# Allegro board A733_PRO3_AXP318_LPDDR5_FBGA315BALL_32X1_V2_0.brd (continued)
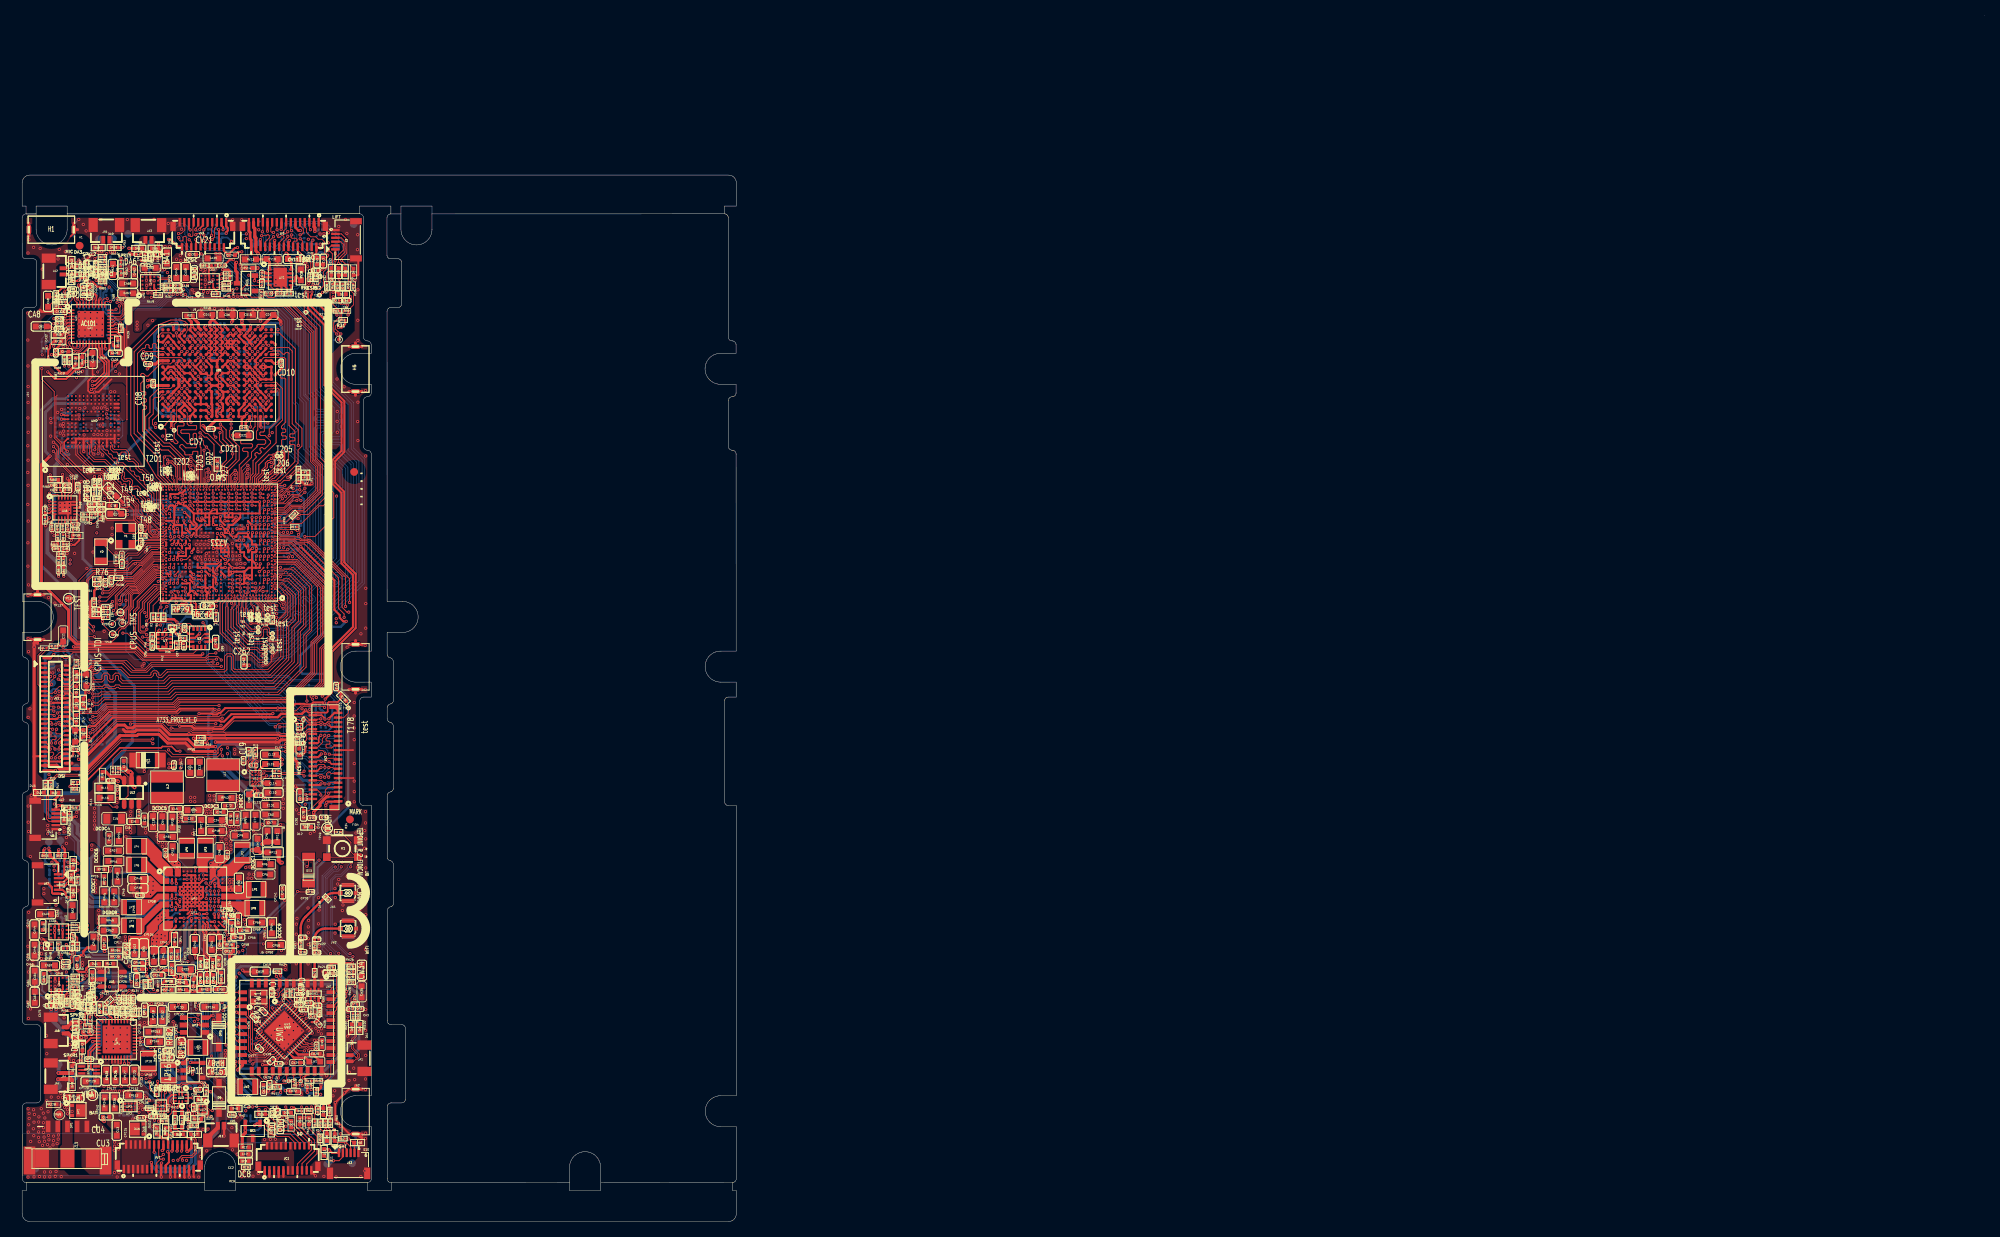
[diagram p0: board, top side]
## Placement (name value [footprint] x y rotation side) (continued)
T170  test  [TP30]  36.57 62.83 180 bottom
T171  test  [TP30]  36.98 69.24 180 bottom
T172  test  [TP30]  40.18 67.21 180 bottom
T173  test  [TP30]  36.24 61.73 0 top
T174  test  [TP30]  36.28 62.76 0 top
T175  test  [TP30]  37.07 57.69 180 bottom
T176  test  [TP30]  36.25 64.76 0 top
T177  test  [TP30]  38.5 64.85 180 bottom
T178  test  [TP30]  42.07 66.26 0 top
T179  test  [TP30]  29.1 97.56 180 bottom
T180  test  [TP30]  26.9 108.25 180 bottom
T181  test  [TP30]  26.88 109.04 180 bottom
T182  test  [TP30]  23.36 109.85 180 bottom
T183  test  [TP30]  30.38 108.26 180 bottom
T184  test  [TP30]  17.02 94.64 0 top
T186  test  [TP30]  9.24 99.01 180 bottom
T187  test  [TP30]  12.13 96.98 0 top
T189  test  [TP30]  8.8 96.99 0 top
T199  test  [TP30]  33.62 99.33 180 bottom
T200  test  [TP30]  30.69 93.97 180 bottom
T201  test  [TP30]  18.74 96.65 0 top
T202  test  [TP30]  18.73 97.16 0 top
T203  test  [TP30]  21.72 96.54 0 top
T204  test  [TP30]  21.73 96.03 0 top
T205  test  [TP30]  32.87 98.76 0 top
T206  test  [TP30]  33.39 98.74 0 top
TP10  JTAG-SEL  [TP50]  32.52 91.39 0 bottom
TP12  PLLTEST  [TP50]  17.76 88.67 90 bottom
TP13  CPU-PLLTEST  [TP50]  17.93 89.98 180 bottom
TP21  SPKL1+  [TP100]  16.63 126.21 180 bottom
TP22  SPKR1+  [TP100]  4.71 20.27 0 bottom
TP23  SPKL1-  [TP100]  14.88 125.78 180 bottom
TP24  SPKR1-  [TP100]  4.66 17.47 0 bottom
TP25  SPKR2+  [TP100]  6.66 25.87 90 bottom
TP26  SPKL2+  [TP100]  11.72 126.8 90 bottom
TP27  SPKR2-  [TP100]  6.79 23.66 180 bottom
TP28  SPKL2-  [TP100]  9.9 126.73 270 bottom
TP29  GND  [TP100]  42.74 128.68 270 bottom
TP30  POWKEY  [TP100]  38.49 124.73 270 bottom
TP31  VOL-  [TP100]  39.69 123.71 180 bottom
TP32  VOL+  [TP100]  40.51 125.73 270 bottom
TP33  RESET-KEY  [TP100]  40.72 122.64 180 bottom
TP34  VCC-3V3  [TP50]  34.92 89.71 45 bottom
TP35  CPUX-TX  [TP50]  31.95 95.43 45 bottom
TP36  CPUX-TDI  [TP50]  34.44 92.58 315 bottom
TP37  CPUX-TMS  [TP50]  40.85 113.79 225 top
TP38  CPUX-RX  [TP50]  32.68 92.7 0 bottom
TP39  CPUX-TCK  [TP50]  35.78 91.99 45 bottom
TP40  CPUX-TDO  [TP50]  32.46 89.86 135 bottom
TP41  GND  [TP50]  33.51 96.42 180 bottom
TP42  GND  [TP50]  33.83 91.39 180 bottom
TP43  CPUS-TX  [TP50]  13 80.89 0 bottom
TP44  CPUS-RX  [TP50]  13.06 79.56 0 bottom
TP45  CPUS-TMS  [TP50]  12.67 78.59 180 top
TP46  CPUS-TCK  [TP50]  11.6 77.08 180 top
TP47  CPUS-TDO  [TP50]  12.91 77.22 0 top
TP48  CPUS-TDI  [TP50]  11.67 75.77 270 top
TP49  UBOOT  [TP100]  39.32 50.75 270 top
TP50  VOL+  [TP100]  39.33 10.32 180 bottom
TP51  VOL-  [TP100]  40.67 9.23 180 bottom
TP52  POWKEY  [TP100]  39.34 7.42 180 bottom
TP53  GND  [TP100]  38.31 12.65 180 bottom
TP54  RESET-KEY  [TP100]  42.99 9.92 180 bottom
TP56  0  [TP100]  27.91 41.05 180 bottom
TP57  VBAT  [TP100]  9.06 16.29 0 top
TP58  GND  [TP100]  1.71 6.83 180 bottom
TP59  TS  [TP100]  4.8 13.81 0 top
TP60  TP-SPI-MISO  [TP100]  7.37 70.42 180 bottom
TP61  TP-SPI-MOSI  [TP100]  3.8 71.69 180 bottom
TP62  TP-SPI-CLK  [TP100]  5.75 69.43 180 bottom
TP63  TP-SPI-CS0  [TP100]  3.86 69.48 180 bottom
TP64  TP-RST  [TP100]  7.7 67.96 180 bottom
TP65  TP-INT  [TP100]  7.62 66.35 180 bottom
TP66  TP-SDA  [TP100]  4.01 56.46 180 bottom
TP67  TP-SCK  [TP100]  5.9 66.76 180 bottom
TP68  0  [TP100]  9.9 70.49 180 bottom
TP69  0  [TP100]  8.31 71.61 180 bottom
TP70  0  [TP100]  10.94 67.8 180 bottom
TP71  0  [TP100]  10.48 66.36 180 bottom
TP72  0  [TP100]  11.12 65.01 180 bottom
TP73  0  [TP100]  11.13 63.36 180 bottom
TP74  0  [TP100]  5.74 60.15 180 bottom
TP75  0  [TP100]  5.9 61.94 180 bottom
TP76  0  [TP100]  6.95 58.56 180 bottom
TP77  0  [TP100]  5.18 57.85 180 bottom
TP97  HP-DET  [TP100]  5.15 43.45 180 bottom
TP98  HPOUTFB  [TP100]  4.93 49.17 180 bottom
TP99  HPOUTR  [TP100]  6.28 44.51 180 bottom
TP100  HS-MIC  [TP100]  6.18 41.19 180 bottom
TP101  HPOUTL  [TP100]  3.45 48.98 180 bottom
TP137  TEST  [TP100]  6.01 80.35 0 top
U1  A733  [BGA570P40_50B1500_1500H95]  25.37 87.6 180 top
U2  QMI8658A/ICM-42670-P  [LGA14P50B250_300H81]  22.85 75.3 270 top
U5  MMC5603NJ  [BGA4P40B82_82H57]  35.76 63.84 0 top
U7  DA215S/MC3433  [LGA12P50B200_200H100]  18.34 74.94 270 top
UA1  AC101  [QFN40P0_40B5_00X5_00H0_75]  8.86 115.78 0 top
UA2  AW87391  [BGA16P50B200_250H55]  24.13 121.26 90 top
UA3  AW87391  [BGA16P50B200_250H55]  4.72 37.36 90 top
UA4  AW87391  [BGA16P50B200_250H55]  4.74 30.69 90 top
UA5  AW87391  [BGA16P50B200_250H55]  16.52 121.13 90 top
UA6  AC107  [QFN20P40B300_300H75]  5.51 92.06 0 top
UD1  LPDDR5_FBGA315  [BGA315P70_80B1500_1240H110]  25.13 109.45 90 top
UL1  OCP2131WPAD-G  [BGA15P40B144_200H63]  30.09 57.19 0 top
UL2  STI9287C  [SOT23-6]  14.1 55.37 180 top
UM2  UFS  [BGA153P50B1150_1300H90]  9.17 103.25 90 top
UP1  AXP318-WBBGA  [BGA147P50B800_800H113]  22.32 41.67 0 top
UP2  BCT72905/AW3291X  [FCQFN12P40B130_180H55]  13.92 14.81 0 top
UP3  LP6216  [SOT6P95B160_290H145]  22.21 25.35 180 top
UP4  AXP515  [QFN41P40B500_500H85]  12.18 23.49 90 top
UP5  NC/HUSB311  [BGA9P40B135_140H58]  17.94 14.96 90 top
UP11  NC/SY8089A1AAC  [SOT5P95B160_300H130]  22.03 19.5 0 top
UU1  WS4603E  [SOT23-5]  11.54 31.26 0 top
UU2  WAS4766C  [BGA9P40B117_117H58D5]  23.25 14.47 270 top
UU3  SGM7237B  [QFN10P40B140_180H55]  20.44 15.95 270 top
UV1  SGM3141B  [DFN11P50B300_300H75]  33.29 121.83 0 top
UW1  SLFD18-5R950G-07T  [DPX6P50B60_160H80]  37.71 29.4 180 top
UW2  AW8X9X  [SUB_WIFI44B1200_1200H150]  34.11 25.07 270 top
UW3  AIC8800D80  [QFN49P35B500_500H85]  33.8 24.57 315 top
Y1  24M/19.2M/26M-20pF-10ppm  [X4B250_320H120_SMD]  13.32 88.43 180 top
Y2  32.768K-12.5pF-20ppm  [X2B150_320H75_SMD]  10.16 86.41 270 top
YW1  40MHz  [X4B165_205H45_SMD]  30.49 28.95 90 top

## Library data of the parts
BA1 BA2 = INDUCTOR_0
C1 C3-C89 C92 C93 C95-C97 C108-C111 C116 C125 C128-C135 C257-C262 CA3 CA5-CA7 CA9 CA12 CA15 CA16 CA19 CA20 CA22 CA24 CA28-CA102 CD1-CD27 CD32-CD69 CM1-CM4 CP112 CP115 CP121 CP130 CP136 CP138 CP139 CP150-CP154 CU4-CU6 CV1-CV7 CV10-CV26 CW1 CW2 CW5-CW13 CW15-CW17 CW19-CW35 = C-C0402
CA1 CA2 CA10 CA11 CA18 = CAPACITOR_0: room: POWER
CA4 CA13 CA14 CA17 CA23 CA25 CA26 = CAPACITOR_0: room: AC100
CA8 CA21 CA27 CP1-CP4 CP6-CP8 CP10-CP13 CP15 CP17 CP20-CP25 CP28-CP33 CP35 CP37 CP38 CP40 CP41 CP43 CP44 CP46 CP48-CP51 CP55 CP56 CP58 CP103 CP116-CP120 CP122-CP127 CP129 CP132-CP135 CP137 CP140-CP144 CU1-CU3 = C-C0603
CC1 CM24-CM35 CM37 CM39 CM54-CM61 = C-C0402-X5R_0
CC2 = C-C0603-X5R_1
CL1 CL3-CL7 CL9-CL20 CV8 CV9 = CAPACITOR_0
CP5 CP9 CP18 CP27 CP34 CP39 CP47 CP52 CP59 = C-C0805
D1-D5 D7-D12 DA5-DA12 DC1-DC8 DL2-DL9 DU1-DU4 DU7-DU12 = ESD9B5VL
D6 = DIO-XBS104S14
D13 = DIO-1N4148
DA1-DA4 DA13-DA18 = ESD9B5VL_0
DL1 DP3 = D_1
DP1 DU6 = DIODE SCHOTTKY_1
DP2 = LED-0805-G
FID1-FID4 = T POINT R_2: Tolerance: *; User Part Number: *
H1-H5 = CONN PWR 2-J_0
J1 JA7 = CLAP070LF02CW_5: User Part Number: #REF
J2 J12 = CLAP070LF02CW_13: User Part Number: #REF
J3-J10 J13 J14 = CON5
J11 = MOTOR AC_0
JA1-JA6 = CONN RCPT 1_1
JC1 = CLAP070LF02CW_6
JL1 = CON51PIN_CTP_1
JP1 = J_BAT
JP2 = J_BAT_TS
JU1 = CLAP070LF02CW_0
JV1 = HEADER 31_0
JV2 = FPC-39P-0.3MM
JV3 = FPC-21P-0.3MM
JW1 JW2 = ANT-IPX_2
K1 = MTP1112E_0
LL1 LL2 LP1-LP9 LW3-LW5 = INDUCTOR
LP10 = L-L3225
LP11 = L_4012
LP16 = L-L2520
LU1 = ICMS212B900MFR_0: signal model: ICMS212B900MFR_0_LC4B120_200H12_NC/CMF0806UD900MFR
LW1 LW2 = INDUCTORS OF FERRITE
QC1 = PMOS-STS2301
QV1 = MOSFET N
R1 R6 R15 R17 R19 R28-R34 R36-R40 R42-R44 R46 R52 R53 R70 R71 R76 RA5 RA7 RA11 RA13 RA19 RA21 RA23 RA25 RA30-RA36 RA39-RA60 RA64 RA72-RA98 RA100-RA103 RC3 RC4 RC6 RL34 RL35 RM36 RP3-RP5 RP8-RP10 RP19 RP22 RP23 RP29 RP32 RP33 RP36 RP38 RP55-RP57 RP82 RP87 RP198 RP225 RP228 RP234 RP236 RP237 RP240 RP243-RP245 RP247-RP250 RP253-RP259 RP261 RP263 RP265 RP266 RP271 RP272 RP301-RP304 RU1 RU2 RU5-RU7 RU9 RU10 RU14 RU15 RV1-RV11 RV13 RV14 RV16 RV19 RV22-RV26 RW4 RW9-RW15 RW17 RW18 RW21 RW22 RW24-RW29 RW31-RW38 RW60-RW62 = R-R0402-5%
R2 R5 R7 R9 R25-R27 R49-R51 R57-R64 RA61-RA63 RA65-RA69 RP6 RP11 RP13 RP14 RP17 RP24 RP30 RP41 RP45 RP49 RP54 RP267-RP270 RP298 RP299 = R-R0603-1%
R3 R4 R8 R10-R14 R18 R21-R24 R48 R66-R68 R72-R75 RD1 RD2 RM3 RM37 RM38 RM41 RP15 RP20 RP77 RU8 RV12 RV21 = R-R0402-1%
RA1-RA4 RA6 RA8-RA10 RA12 RA14-RA18 RA20 RA26-RA29 RA99 = R: room: AC100
RC1 RW1 = R-R0402-5%: signal model: R-R0402-5%_R0201_33R_33R
RC2 = R-R0603-5%_0
RC5 RC7-RC9 = R-R0402-5%_0
RL5 RL7-RL9 RL11 RL13 RL15-RL23 RL42 RL43 = RESISTOR
RL24-RL27 RL30-RL33 RL36-RL38 RL44 RL45 RL47 RL48 RV15 RV17 RV18 RV20 = R
RP2 RP7 RP21 RP28 RP39 RP42 RP50 RP53 RP127 RP220 RP242 RP287 RP290-RP297 RP300 = R-R0603-1%_2
RP246 = SMR0805
RP251 RP252 = R-R0402-5%: signal model: R-R0402-5%_R0201_NC/470R_NC/470R
RU3 RU4 RU17 RU18 = R-R0402-5%: signal model: R-R0402-5%_R0201_0R_0R
RU11 RU12 = R-R0402-5%: signal model: R-R0402-5%_R0201_5.1R_5.1R
RU34 RU35 = R-R0402-5%: signal model: R-R0402-5%_R0201_NC/0R_NC/0R
T3-T24 T26-T30 T33-T39 T41-T44 T47-T50 T52-T55 T57-T87 T112 T113 T116-T121 T128-T184 T186 T187 T189 T199-T206 = TestPoint-on wire
TP10 TP12 TP13 TP21-TP54 TP56-TP77 TP97-TP101 TP137 = TestPoint-SMD
U1 = A733-V1.0
U2 = ICM-42670-P
U5 = AK09918C
U7 = MC3433
UA1 = AC101&AC101B V0.2
UA2-UA5 = AW87391
UA6 = AC107s_standard_0
UD1 = LPDDR5_FBGA315
UL1 = uPC8236T6N_2
UL2 = AP3031_0: Tolerance: RichardLC
UM2 = UFS_0
UP1 = AXP318-WBBGA
UP2 = BCT72901
UP3 = LP6216
UP4 = AW1760_6
UP5 = HUSB311
UP11 = SY8089A
UU1 = SY6280
UU2 = WAS4766C
UU3 = SGM7237B: signal model: SGM7237B_QFN10P40B140_180H55_SG_SGM7237B
UV1 = SGM3141_0
UW1 = DPX_1
UW2 = MODULE_AP6XXX_0
UW3 = AIC8800D80_0
Y1 = CRY-24MHz-3225-SMD
Y2 = CRY-32_0.768KHz-2X6-DIP
YW1 = Crystal_1

## Footprints (pads in the part's own frame, mm; a bottom-side part is the same pattern mirrored in y, then rotated)
45PIN_UD_FPC_863
  rect 0.3x0.8 smd: 1(0,0) 3(0.6,0) 5(1.2,0) 7(1.8,0) 9(2.4,0) 11(3,0) 13(3.6,0) 15(4.2,0) 17(4.8,0) 19(5.4,0) 21(6,0) 23(6.6,0) 25(7.2,0) 27(7.8,0) 29(8.4,0) 31(9,0) 33(9.6,0) 35(10.2,0) 37(10.8,0) 39(11.4,0) 41(12,0) 43(12.6,0) 45(13.2,0)
  rect 0.3x0.65 smd: 2(0.3,2.875) 4(0.9,2.875) 6(1.5,2.875) 8(2.1,2.875) 10(2.7,2.875) 12(3.3,2.875) 14(3.9,2.875) 16(4.5,2.875) 18(5.1,2.875) 20(5.7,2.875) 22(6.3,2.875) 24(6.9,2.875) 26(7.5,2.875) 28(8.1,2.875) 30(8.7,2.875) 32(9.3,2.875) 34(9.9,2.875) 36(10.5,2.875) 38(11.1,2.875) 40(11.7,2.875) 42(12.3,2.875) 44(12.9,2.875)
  rect 0.3x1.15 smd: 46(13.85,0.375) 47(-0.65,0.375)
BAT_SMD-3
  rect 1.78x2.29 smd: 1(-3.27,0) 2(0,0) 3(3.27,0)
BGA4P40B82_82H57
  round 0.25 smd: A1(-0.2,0.2) A2(0.2,0.2) B1(-0.2,-0.2) B2(0.2,-0.2)
BGA9P40B117_117H58D5
  custom 0.21x0.249 smd: A1(-0.4,0.4) A2(0,0.4)
  round 0.25 smd: A3(0.4,0.4) B1(-0.4,0) B2(0,0) B3(0.4,0) C1(-0.4,-0.4) C2(0,-0.4) C3(0.4,-0.4)
BGA9P40B135_140H58
  round 0.25 smd: A1(-0.4,0.4) A2(0,0.4) B1(-0.4,0) B2(0,0) C1(-0.4,-0.4) C2(0,-0.4) C3(0.4,-0.4)
  custom 0.249x0.21 smd: A3(0.4,0.4) B3(0.4,0)
BGA15P40B144_200H63
  round 0.25 smd: A1(-0.4,0.8) A2(0,0.8) B1(-0.4,0.4) B2(0,0.4) C1(-0.4,0) C2(0,0) D1(-0.4,-0.4) D2(0,-0.4) E1(-0.4,-0.8) E2(0,-0.8) E3(0.4,-0.8)
  custom 0.25x0.2 smd: A3(0.4,0.8) B3(0.4,0.4) C3(0.4,0) D3(0.4,-0.4)
BGA16P50B200_250H55
  round 0.24 smd: A1(-0.75,1) A2(-0.25,1) A3(0.25,1) A4(0.75,1) B1(-0.75,0.5) B4(0.75,0.5) C1(-0.75,0) C3(0.25,0) C4(0.75,0) D1(-0.75,-0.5) D2(-0.25,-0.5) D4(0.75,-0.5) E1(-0.75,-1) E2(-0.25,-1) E3(0.25,-1) E4(0.75,-1)
BGA147P50B800_800H113
  round 0.27 smd: A1(-3.5,3.5) A2(-3,3.5) A3(-2.5,3.5) A4(-2,3.5) A5(-1.5,3.5) A6(-1,3.5) A7(-0.5,3.5) A8(0,3.5) A9(0.5,3.5) A10(1,3.5) A11(1.5,3.5) A12(2,3.5) A13(2.5,3.5) A14(3,3.5) A15(3.5,3.5) B1(-3.5,3) B2(-3,3) B3(-2.5,3) B4(-2,3) B5(-1.5,3) B7(-0.5,3) B8(0,3) B9(0.5,3) B11(1.5,3) B12(2,3) B13(2.5,3) B14(3,3) B15(3.5,3) C1(-3.5,2.5) C2(-3,2.5) C3(-2.5,2.5) C5(-1.5,2.5) C11(1.5,2.5) C12(2,2.5) C13(2.5,2.5) C15(3.5,2.5) D1(-3.5,2) D5(-1.5,2) D7(-0.5,2) D9(0.5,2) D14(3,2) D15(3.5,2) E1(-3.5,1.5) E2(-3,1.5) E3(-2.5,1.5) E4(-2,1.5) E6(-1,1.5) E8(0,1.5) E10(1,1.5) E11(1.5,1.5) E12(2,1.5) E13(2.5,1.5) E14(3,1.5) E15(3.5,1.5) F1(-3.5,1) F2(-3,1) F3(-2.5,1) F5(-1.5,1) F7(-0.5,1) F9(0.5,1) F15(3.5,1) G1(-3.5,0.5) G2(-3,0.5) G3(-2.5,0.5) G4(-2,0.5) G6(-1,0.5) G8(0,0.5) G10(1,0.5) G11(1.5,0.5) G12(2,0.5) G13(2.5,0.5) G14(3,0.5) G15(3.5,0.5) H1(-3.5,0) H5(-1.5,0) H7(-0.5,0) H9(0.5,0) H15(3.5,0) J1(-3.5,-0.5) J2(-3,-0.5) J3(-2.5,-0.5) J4(-2,-0.5) J6(-1,-0.5) J8(0,-0.5) J10(1,-0.5) J11(1.5,-0.5) J12(2,-0.5) J13(2.5,-0.5) J14(3,-0.5) J15(3.5,-0.5) K1(-3.5,-1) K5(-1.5,-1) K7(-0.5,-1) K9(0.5,-1) K15(3.5,-1) L1(-3.5,-1.5) L2(-3,-1.5) L3(-2.5,-1.5) L4(-2,-1.5) L6(-1,-1.5) L8(0,-1.5) L10(1,-1.5) L11(1.5,-1.5) L12(2,-1.5) L13(2.5,-1.5) L14(3,-1.5) L15(3.5,-1.5) M1(-3.5,-2) M4(-2,-2) M6(-1,-2) M8(0,-2) M10(1,-2) M15(3.5,-2) N1(-3.5,-2.5) N2(-3,-2.5) N4(-2,-2.5) N6(-1,-2.5) N8(0,-2.5) N10(1,-2.5) N13(2.5,-2.5) N14(3,-2.5) N15(3.5,-2.5) P1(-3.5,-3) P2(-3,-3) P3(-2.5,-3) P4(-2,-3) P5(-1.5,-3) P6(-1,-3) P7(-0.5,-3) P8(0,-3) P9(0.5,-3) P10(1,-3) P11(1.5,-3) P12(2,-3) P14(3,-3) P15(3.5,-3) R1(-3.5,-3.5) R2(-3,-3.5) R3(-2.5,-3.5) R5(-1.5,-3.5) R7(-0.5,-3.5) R8(0,-3.5) R10(1,-3.5) R12(2,-3.5) R13(2.5,-3.5) R14(3,-3.5) R15(3.5,-3.5)
BGA153P50B1150_1300H90
  oval 0.195x0.321 smd: A1(-3.25,3.25) A2(-2.75,3.25) A3(-2.25,3.25) A4(-1.75,3.25) A5(-1.25,3.25) A6(-0.75,3.25) A7(-0.25,3.25) A8(0.25,3.25) A9(0.75,3.25) A10(1.25,3.25) A11(1.75,3.25) A12(2.25,3.25) A13(2.75,3.25) P2(-2.75,-3.25) P3(-2.25,-3.25) P4(-1.75,-3.25) P5(-1.25,-3.25) P6(-0.75,-3.25) P7(-0.25,-3.25) P8(0.25,-3.25) P9(0.75,-3.25) P10(1.25,-3.25) P11(1.75,-3.25) P12(2.25,-3.25) P13(2.75,-3.25) P14(3.25,-3.25)
  oval 0.321x0.195 smd: A14(3.25,3.25) B1(-3.25,2.75) B14(3.25,2.75) C1(-3.25,2.25) C14(3.25,2.25) D1(-3.25,1.75) D14(3.25,1.75) E1(-3.25,1.25) E14(3.25,1.25) F1(-3.25,0.75) F14(3.25,0.75) G1(-3.25,0.25) G14(3.25,0.25) H1(-3.25,-0.25) H14(3.25,-0.25) J1(-3.25,-0.75) J14(3.25,-0.75) K1(-3.25,-1.25) K14(3.25,-1.25) L1(-3.25,-1.75) L14(3.25,-1.75) M1(-3.25,-2.25) M14(3.25,-2.25) N1(-3.25,-2.75) N14(3.25,-2.75) P1(-3.25,-3.25)
  round 0.25 smd: B2(-2.75,2.75) B3(-2.25,2.75) B4(-1.75,2.75) B5(-1.25,2.75) B6(-0.75,2.75) B7(-0.25,2.75) B8(0.25,2.75) B9(0.75,2.75) B10(1.25,2.75) B11(1.75,2.75) B12(2.25,2.75) B13(2.75,2.75) C2(-2.75,2.25) C3(-2.25,2.25) C4(-1.75,2.25) C5(-1.25,2.25) C6(-0.75,2.25) C7(-0.25,2.25) C8(0.25,2.25) C9(0.75,2.25) C10(1.25,2.25) C11(1.75,2.25) C12(2.25,2.25) C13(2.75,2.25) D2(-2.75,1.75) D3(-2.25,1.75) D4(-1.75,1.75) D12(2.25,1.75) D13(2.75,1.75) E2(-2.75,1.25) E3(-2.25,1.25) E5(-1.25,1.25) E6(-0.75,1.25) E7(-0.25,1.25) E8(0.25,1.25) E9(0.75,1.25) E10(1.25,1.25) E12(2.25,1.25) E13(2.75,1.25) F2(-2.75,0.75) F3(-2.25,0.75) F5(-1.25,0.75) F10(1.25,0.75) F12(2.25,0.75) F13(2.75,0.75) G2(-2.75,0.25) G3(-2.25,0.25) G5(-1.25,0.25) G10(1.25,0.25) G12(2.25,0.25) G13(2.75,0.25) H2(-2.75,-0.25) H3(-2.25,-0.25) H5(-1.25,-0.25) H10(1.25,-0.25) H12(2.25,-0.25) H13(2.75,-0.25) J2(-2.75,-0.75) J3(-2.25,-0.75) J5(-1.25,-0.75) J10(1.25,-0.75) J12(2.25,-0.75) J13(2.75,-0.75) K2(-2.75,-1.25) K3(-2.25,-1.25) K5(-1.25,-1.25) K6(-0.75,-1.25) K7(-0.25,-1.25) K8(0.25,-1.25) K9(0.75,-1.25) K10(1.25,-1.25) K12(2.25,-1.25) K13(2.75,-1.25) L2(-2.75,-1.75) L3(-2.25,-1.75) L12(2.25,-1.75) L13(2.75,-1.75) M2(-2.75,-2.25) M3(-2.25,-2.25) M4(-1.75,-2.25) M5(-1.25,-2.25) M6(-0.75,-2.25) M7(-0.25,-2.25) M8(0.25,-2.25) M9(0.75,-2.25) M10(1.25,-2.25) M11(1.75,-2.25) M12(2.25,-2.25) M13(2.75,-2.25) N2(-2.75,-2.75) N3(-2.25,-2.75) N4(-1.75,-2.75) N5(-1.25,-2.75) N6(-0.75,-2.75) N7(-0.25,-2.75) N8(0.25,-2.75) N9(0.75,-2.75) N10(1.25,-2.75) N11(1.75,-2.75) N12(2.25,-2.75) N13(2.75,-2.75)
BGA315P70_80B1500_1240H110
  round 0.43 smd: A1(-5.6,7) A2(-4.8,7) A3(-4,7) A4(-3.2,7) A5(-2.4,7) A6(-1.6,7) A7(-0.8,7) A8(0,7) A9(0.8,7) A10(1.6,7) A11(2.4,7) A12(3.2,7) A13(4,7) A14(4.8,7) A15(5.6,7) AA1(-5.6,-7) AA2(-4.8,-7) AA3(-4,-7) AA4(-3.2,-7) AA5(-2.4,-7) AA6(-1.6,-7) AA7(-0.8,-7) AA8(0,-7) AA9(0.8,-7) AA10(1.6,-7) AA11(2.4,-7) AA12(3.2,-7) AA13(4,-7) AA14(4.8,-7) AA15(5.6,-7) B1(-5.6,6.3) B2(-4.8,6.3) B3(-4,6.3) B4(-3.2,6.3) B5(-2.4,6.3) B6(-1.6,6.3) B7(-0.8,6.3) B8(0,6.3) B9(0.8,6.3) B10(1.6,6.3) B11(2.4,6.3) B12(3.2,6.3) B13(4,6.3) B14(4.8,6.3) B15(5.6,6.3) C1(-5.6,5.6) C2(-4.8,5.6) C3(-4,5.6) C4(-3.2,5.6) C5(-2.4,5.6) C6(-1.6,5.6) C7(-0.8,5.6) C8(0,5.6) C9(0.8,5.6) C10(1.6,5.6) C11(2.4,5.6) C12(3.2,5.6) C13(4,5.6) C14(4.8,5.6) C15(5.6,5.6) D1(-5.6,4.9) D2(-4.8,4.9) D3(-4,4.9) D4(-3.2,4.9) D5(-2.4,4.9) D6(-1.6,4.9) D7(-0.8,4.9) D8(0,4.9) D9(0.8,4.9) D10(1.6,4.9) D11(2.4,4.9) D12(3.2,4.9) D13(4,4.9) D14(4.8,4.9) D15(5.6,4.9) E1(-5.6,4.2) E2(-4.8,4.2) E3(-4,4.2) E4(-3.2,4.2) E5(-2.4,4.2) E6(-1.6,4.2) E7(-0.8,4.2) E8(0,4.2) E9(0.8,4.2) E10(1.6,4.2) E11(2.4,4.2) E12(3.2,4.2) E13(4,4.2) E14(4.8,4.2) E15(5.6,4.2) F1(-5.6,3.5) F2(-4.8,3.5) F3(-4,3.5) F4(-3.2,3.5) F5(-2.4,3.5) F6(-1.6,3.5) F7(-0.8,3.5) F8(0,3.5) F9(0.8,3.5) F10(1.6,3.5) F11(2.4,3.5) F12(3.2,3.5) F13(4,3.5) F14(4.8,3.5) F15(5.6,3.5) G1(-5.6,2.8) G2(-4.8,2.8) G3(-4,2.8) G4(-3.2,2.8) G5(-2.4,2.8) G6(-1.6,2.8) G7(-0.8,2.8) G8(0,2.8) G9(0.8,2.8) G10(1.6,2.8) G11(2.4,2.8) G12(3.2,2.8) G13(4,2.8) G14(4.8,2.8) G15(5.6,2.8) H1(-5.6,2.1) H2(-4.8,2.1) H3(-4,2.1) H4(-3.2,2.1) H5(-2.4,2.1) H6(-1.6,2.1) H7(-0.8,2.1) H8(0,2.1) H9(0.8,2.1) H10(1.6,2.1) H11(2.4,2.1) H12(3.2,2.1) H13(4,2.1) H14(4.8,2.1) H15(5.6,2.1) J1(-5.6,1.4) J2(-4.8,1.4) J3(-4,1.4) J4(-3.2,1.4) J5(-2.4,1.4) J6(-1.6,1.4) J7(-0.8,1.4) J8(0,1.4) J9(0.8,1.4) J10(1.6,1.4) J11(2.4,1.4) J12(3.2,1.4) J13(4,1.4) J14(4.8,1.4) J15(5.6,1.4) K1(-5.6,0.7) K2(-4.8,0.7) K3(-4,0.7) K4(-3.2,0.7) K5(-2.4,0.7) K6(-1.6,0.7) K7(-0.8,0.7) K8(0,0.7) K9(0.8,0.7) K10(1.6,0.7) K11(2.4,0.7) K12(3.2,0.7) K13(4,0.7) K14(4.8,0.7) K15(5.6,0.7) L1(-5.6,0) L2(-4.8,0) L3(-4,0) L4(-3.2,0) L5(-2.4,0) L6(-1.6,0) L7(-0.8,0) L8(0,0) L9(0.8,0) L10(1.6,0) L11(2.4,0) L12(3.2,0) L13(4,0) L14(4.8,0) L15(5.6,0) M1(-5.6,-0.7) M2(-4.8,-0.7) M3(-4,-0.7) M4(-3.2,-0.7) M5(-2.4,-0.7) M6(-1.6,-0.7) M7(-0.8,-0.7) M8(0,-0.7) M9(0.8,-0.7) M10(1.6,-0.7) M11(2.4,-0.7) M12(3.2,-0.7) M13(4,-0.7) M14(4.8,-0.7) M15(5.6,-0.7) N1(-5.6,-1.4) N2(-4.8,-1.4) N3(-4,-1.4) N4(-3.2,-1.4) N5(-2.4,-1.4) N6(-1.6,-1.4) N7(-0.8,-1.4) N8(0,-1.4) N9(0.8,-1.4) N10(1.6,-1.4) N11(2.4,-1.4) N12(3.2,-1.4) N13(4,-1.4) N14(4.8,-1.4) N15(5.6,-1.4) P1(-5.6,-2.1) P2(-4.8,-2.1) P3(-4,-2.1) P4(-3.2,-2.1) P5(-2.4,-2.1) P6(-1.6,-2.1) P7(-0.8,-2.1) P8(0,-2.1) P9(0.8,-2.1) P10(1.6,-2.1) P11(2.4,-2.1) P12(3.2,-2.1) P13(4,-2.1) P14(4.8,-2.1) P15(5.6,-2.1) R1(-5.6,-2.8) R2(-4.8,-2.8) R3(-4,-2.8) R4(-3.2,-2.8) R5(-2.4,-2.8) R6(-1.6,-2.8) R7(-0.8,-2.8) R8(0,-2.8) R9(0.8,-2.8) R10(1.6,-2.8) R11(2.4,-2.8) R12(3.2,-2.8) R13(4,-2.8) R14(4.8,-2.8) R15(5.6,-2.8) T1(-5.6,-3.5) T2(-4.8,-3.5) T3(-4,-3.5) T4(-3.2,-3.5) T5(-2.4,-3.5) T6(-1.6,-3.5) T7(-0.8,-3.5) T8(0,-3.5) T9(0.8,-3.5) T10(1.6,-3.5) T11(2.4,-3.5) T12(3.2,-3.5) T13(4,-3.5) T14(4.8,-3.5) T15(5.6,-3.5) U1(-5.6,-4.2) U2(-4.8,-4.2) U3(-4,-4.2) U4(-3.2,-4.2) U5(-2.4,-4.2) U6(-1.6,-4.2) U7(-0.8,-4.2) U8(0,-4.2) U9(0.8,-4.2) U10(1.6,-4.2) U11(2.4,-4.2) U12(3.2,-4.2) U13(4,-4.2) U14(4.8,-4.2) U15(5.6,-4.2) V1(-5.6,-4.9) V2(-4.8,-4.9) V3(-4,-4.9) V4(-3.2,-4.9) V5(-2.4,-4.9) V6(-1.6,-4.9) V7(-0.8,-4.9) V8(0,-4.9) V9(0.8,-4.9) V10(1.6,-4.9) V11(2.4,-4.9) V12(3.2,-4.9) V13(4,-4.9) V14(4.8,-4.9) V15(5.6,-4.9) W1(-5.6,-5.6) W2(-4.8,-5.6) W3(-4,-5.6) W4(-3.2,-5.6) W5(-2.4,-5.6) W6(-1.6,-5.6) W7(-0.8,-5.6) W8(0,-5.6) W9(0.8,-5.6) W10(1.6,-5.6) W11(2.4,-5.6) W12(3.2,-5.6) W13(4,-5.6) W14(4.8,-5.6) W15(5.6,-5.6) Y1(-5.6,-6.3) Y2(-4.8,-6.3) Y3(-4,-6.3) Y4(-3.2,-6.3) Y5(-2.4,-6.3) Y6(-1.6,-6.3) Y7(-0.8,-6.3) Y8(0,-6.3) Y9(0.8,-6.3) Y10(1.6,-6.3) Y11(2.4,-6.3) Y12(3.2,-6.3) Y13(4,-6.3) Y14(4.8,-6.3) Y15(5.6,-6.3)